# Allegro board BRD-05058-01_B04.brd (continued)
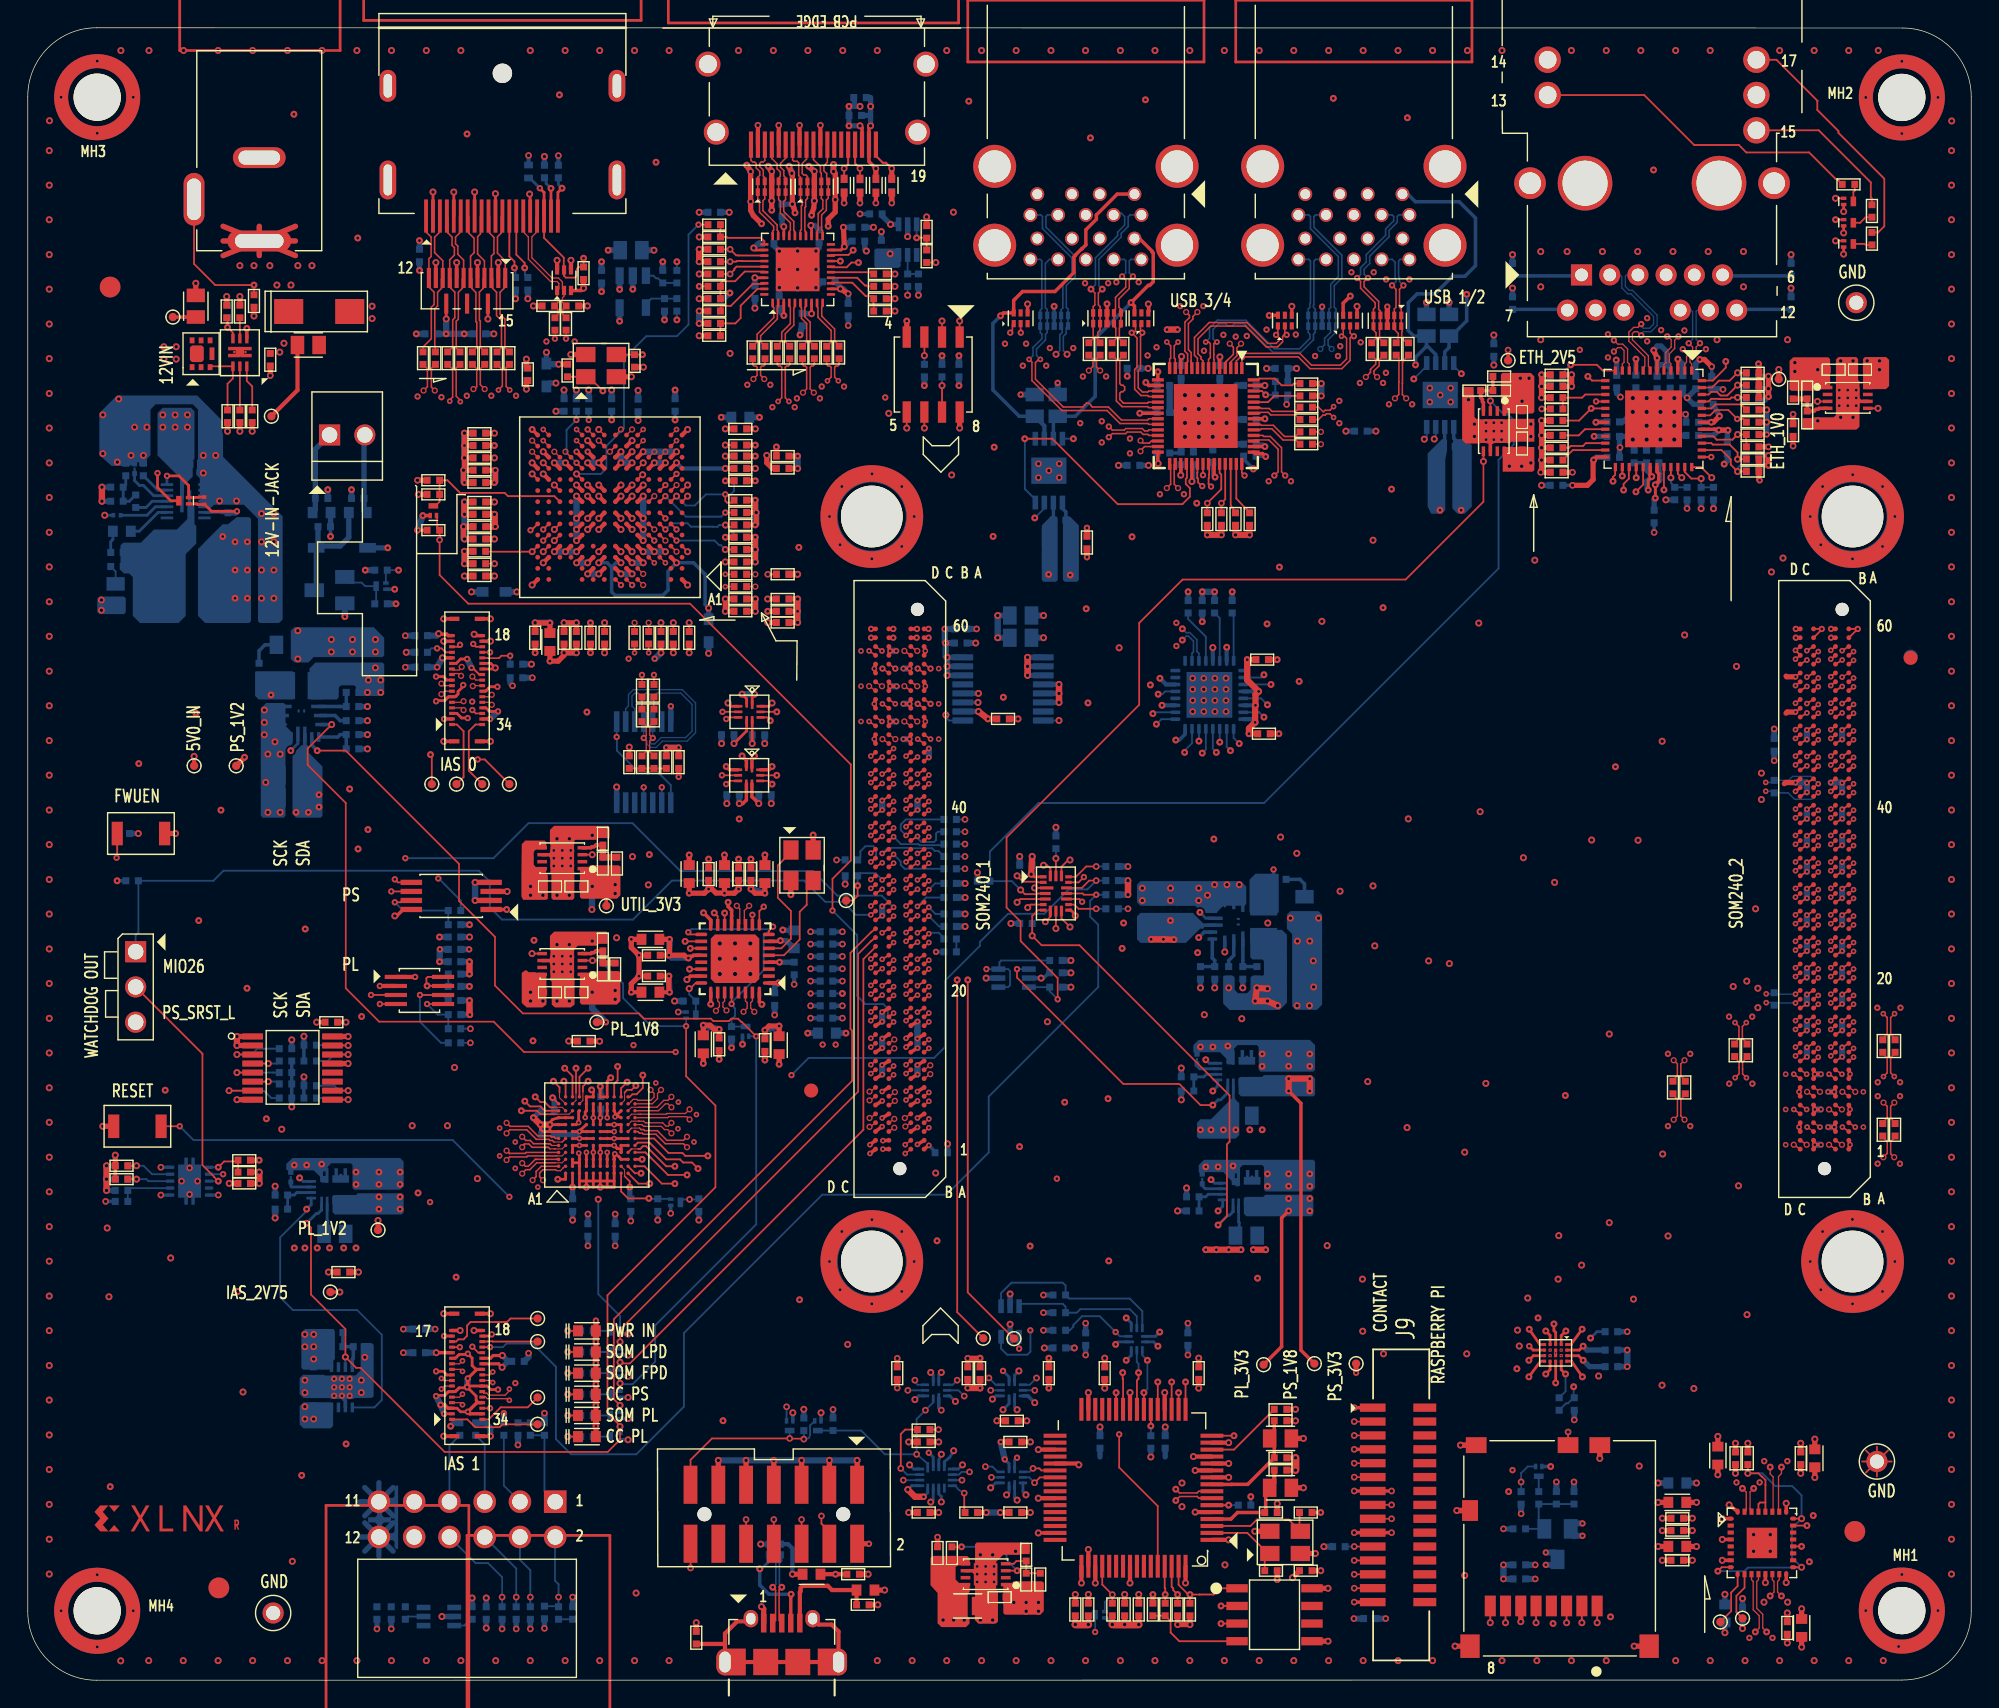
[diagram p0: board, top side]
## Routing (per net, layer and track width the routed paths; a pad name or vN(x,y) marks a point on that pad's centre or on a via; arc(x,y) is an arc through that point) (continued)
VCC_BATT: length 1.2
  TOP w0.254: JA1.A1 v3(64.91,38.52)
  BOTTOM w0.254: R44.1 65.36,38.07 v3(64.91,38.52)
VCCOEN_PL_M2C: length 130
  TOP w0.132: U9.5 v4(36.32,52.33) ; JA1.A20 v3(64.09,50.01)
  L03_SIG w0.102: v2(43.64,45.73) 46.89,45.73 47.45,45.18 49.91,45.18 50.21,44.87 52.07,44.87 52.3,45.1 58.68,45.1 59.61,46.03 59.61,48.05 60.45,48.88 63.37,48.88 63.7,49.21 63.7,49.63 v3(64.09,50.01) ; v2(28.98,34.43) 30.57,32.84 37.22,32.84 39.67,35.29 39.67,36.26 38.28,37.65 38.28,40.45 37.18,41.54 37.18,42.43 35.74,43.88 35.74,51.74 v4(36.32,52.33)
  L12_SIG w0.102: v2(43.64,45.73) 43.64,46.42 41.71,48.35 40.61,48.35 39.12,49.84 38.02,49.84 36.32,51.54 v4(36.32,52.33) ; v3(64.09,50.01) 64.54,49.56 64.54,49.16 64.76,48.94 68.91,48.94 84.06,33.8 v6(85.75,33.8) ; v2(28.98,34.43) 27.65,34.43 27.57,34.36 24.38,34.36 23.95,33.92 v6(20.09,33.92)
  BOTTOM w0.132: v6(20.09,33.92) 20.09,33.8 18.18,31.89 18.18,27.57 19.1,26.66 23.73,26.66 25.5,24.88 25.5,20.18 24.97,19.65 U8.5
  BOTTOM w0.203: v6(20.09,33.92) 20.42,34.25 U5.9 ; v6(85.75,33.8) 86.08,34.12 U4.9
VCCOEN_PS_M2C: length 105.6
  TOP w0.127: v2(46.67,45.24) 35.75,45.24 33.56,47.42 25.31,47.42 22.91,49.83 22.91,63.17 20.17,65.91 20.17,67.1 v4(21.89,68.82)
  TOP w0.132: JA1.A19 v3(64.91,49.95)
  L03_SIG w0.102: v2(46.67,45.24) 47.06,44.85 49.06,44.85 49.68,44.24 53.36,44.24 54,44.87 58.78,44.87 59.88,45.97 59.88,47.91 60.55,48.58 64.11,48.58 64.46,48.94 64.46,49.5 v3(64.91,49.95)
  L12_SIG w0.102: v6(85.37,42.43) 85.37,43.7 86.93,45.26 86.93,51.75 v4(86.23,52.44) 83.28,49.49 69.8,49.49 69.34,49.95 v3(64.91,49.95)
  BOTTOM w0.203: v6(85.37,42.43) 85.7,42.76 U3.9
  BOTTOM w0.254: U1.12 v4(86.23,52.44) ; U2.12 v4(21.89,68.82)
AP1302_GPIO2_NC: length 2.7
  TOP w0.132: U34.A10 37.24,41.01 36.93,41.32 36.18,41.32 v6(35.81,41.7)
AP1302_GPIO3_NC: length 5.4
  TOP w0.132: U34.M5 43.95,38.72 44.79,38.72 45.99,37.51 46.99,37.51 47.21,37.28 47.85,37.28 v6(48.28,36.84)
AP1302_GPIO4_NC: length 5.8
  TOP w0.132: v6(48.99,37.76) 47.37,37.76 47.16,37.97 46.16,37.97 45.12,39.01 U34.M6
AP1302_GPIO5_NC: length 4.4
  TOP w0.132: U34.M4 44.49,38.01 46.12,36.39 v6(47.49,36.39)
AP1302_GPIO6_NC: length 4.2
  TOP w0.076: 43.49,38.26 43.98,38.26
  TOP w0.132: U34.L4 43.49,38.26 ; v6(46.62,37.01) 45.99,37.01 44.55,38.46 44.31,38.46 44.12,38.26 43.98,38.26
AP1302_GPIO7_NC: length 1.2
  TOP w0.132: v6(38.62,43.14) 38.74,43.01 U34.B12
AP1302_GPIO8_NC: length 2.3
  TOP w0.132: v6(44.31,43.57) 44.31,42.64 43.86,42.2 43.56,42.2 43.37,42.01 U34.L12
AP1302_GPIO9_NC: length 1.2
  TOP w0.132: U34.K12 42.74,42.64 v6(43.18,43.07)
AP1302_GPIO10_NC: length 2.3
  TOP w0.132: U34.J12 42.24,42.95 42.49,43.2 v6(42.49,44.2)
AP1302_STANDBY_LS: length 5.1
  TOP w0.132: v6(44.74,34.7) 43.24,34.7 42.74,35.2 U34.K1
  BOTTOM w0.132: Q1.2 46.29,34.67 R91.2 44.77,34.67 v6(44.74,34.7)
CC_PL_PGOOD: length 144.3
  TOP w0.127: v6(85.75,32.78) 86.39,33.42 86.39,38.59 86.58,38.79 86.58,42.11 75.76,52.93 73.04,52.93 v4(72.36,53.61) ; v6(20.09,32.91) 20.4,32.59 20.4,27.77 22.88,25.29 v4(22.88,23.28) 23.66,22.49 23.98,22.49 30.03,16.44 41.78,16.44 42.67,17.33 v4(42.67,18.27) 42.67,18.33 41.76,19.24 41.76,27.72 49.54,35.5 49.54,41.38 47.43,43.5 v2(47.43,47.1)
  TOP w0.132: U9.3 v4(40.69,51.83) ; v4(72.36,53.61) 72.36,55.03 72.78,55.46 U19.7
  L12_SIG w0.102: v2(47.43,47.1) 48.28,47.96 48.28,48.88 49.02,49.62 56,49.62 56.28,49.9 58.96,49.9 59.67,50.61 59.67,51.46 60.72,52.51 64.95,52.51 65.54,53.1 71.65,53.1 72.16,53.61 v4(72.36,53.61)
  BOTTOM w0.132: v4(72.36,53.61) R28.2 ; Q16.1 v2(47.43,47.1) 44.91,47.1 42.89,49.12 42.89,50.17 41.23,51.83 v4(40.69,51.83) ; U8.3 v4(22.88,23.28) ; Q10.1 v4(42.67,18.27)
  BOTTOM w0.203: U5.8 21.17,33.87 20.91,33.61 20.79,33.61 v6(20.09,32.91) ; v6(85.75,32.78) 86.45,33.48 86.57,33.48 86.83,33.74 U4.8
CC_PL_PGOOD_LS_B: length 3.1
  TOP w0.127: U17.24 48.11,50.21 47.71,49.8 v4(47.65,49.8)
  BOTTOM w0.132: Q16.3 R237.2 47.65,49.39 v4(47.65,49.8)
CC_PS_PGOOD: length 220.7
  TOP w0.127: v2(52.47,46.37) 51.43,47.42 51.39,47.42 51.16,47.64 50.68,47.64 50.51,47.47 49.39,47.47 49.22,47.64 44.4,47.64 44.02,48.02 35.66,48.02 33.66,50.02 33.66,53.53 31.07,56.12 31.07,58.78 22.91,66.94 v6(20.85,66.94) ; v6(85.37,41.42) 84.48,41.42 82.96,42.94 78.92,42.94 71.26,50.6 v2(71.26,51.21)
  TOP w0.132: U12.3 v4(128.93,92.09) ; U10.3 v4(105.36,92.13) ; v4(71.52,56.91) 71.83,56.61 72.72,56.61 72.77,56.66 U19.4
  L12_SIG w0.102: v4(71.52,56.91) 72.18,57.57 72.75,57.57 73.03,57.29 73.03,55.38 72.79,55.15 72.79,54.5 73.05,54.24 73.05,52.97 71.68,51.6 71.65,51.6 v2(71.26,51.21) 71.13,51.21 70.51,51.83 66.75,51.83 65.58,50.66 60.76,50.66 59.79,49.69 59.79,47.77 59.15,47.13 55.5,47.13 54.74,46.37 v2(52.47,46.37) ; v4(105.36,92.13) 105.96,92.72 108.01,92.72 108.88,93.59 111.67,93.59 112.07,93.19 113.36,93.19 113.76,93.59 121.59,93.59 121.81,93.37 122.29,93.37 122.54,93.13 122.54,92.33 122.94,91.93 127.24,91.93 127.4,92.09 v4(128.93,92.09)
  BOTTOM w0.132: v4(42.67,21.38) 42.62,21.38 42.67,21.33 ; v4(105.36,92.13) 106.35,91.14 106.66,91.14 107.04,90.76 107.04,88.98 105.95,87.89 105.95,80.06 89.06,63.17 72.8,63.17 69.31,59.68 R7.2 70.89,57.55 v4(71.52,56.91) ; U70.4 v2(71.26,51.21) ; 42.67,21.33 42.68,21.32 43.57,21.32 45.2,22.95 45.2,25.56 52.47,32.83 v2(52.47,46.37) 51.94,46.37 Q11.1 ; 42.67,21.33 Q8.1
  BOTTOM w0.203: U3.8 86.45,42.3 85.94,41.79 85.75,41.79 v6(85.37,41.42)
  BOTTOM w0.254: v6(20.85,66.94) 20.46,67.34 U2.14
CC_PS_PGOOD_LS_B: length 18.2
  TOP w0.127: v2(47.58,53.86) 47.74,53.71 U17.17 ; U17.28 v2(50.7,48.7) ; U17.8 53.39,53.96 v2(53.69,54.27)
  BOTTOM w0.132: v2(47.58,53.86) 47.81,54.09 53.51,54.09 ; Q11.3 R232.2 50.7,47.59 50.95,47.84 50.95,48.37 50.89,48.44 50.89,48.46 50.7,48.64 v2(50.7,48.7) 50.7,48.81 53.02,51.13 53.02,53.59 53.51,54.09 ; 53.51,54.09 v2(53.69,54.27)
CC_PS_POR_B: length 86.3
  TOP w0.127: v2(10.95,39.89) SW2.2
  TOP w0.132: U19.3 v4(72.53,57.06)
  L12_SIG w0.102: v2(34.69,34.81) 37.74,34.81 39.52,36.59 41.93,36.59 42.75,37.41 42.75,43.63 44.6,45.48 44.6,52.69 46.15,54.24 47.41,54.24 47.42,54.26 47.75,54.26 47.78,54.29 53.02,54.29 54.18,55.45 56.46,55.45 57.23,54.68 61.71,54.68 61.92,54.9 61.92,54.93 62,55.01 62,55.81 62.22,56.03 62.9,56.03 62.99,56.12 65.2,56.12 66.57,54.75 68.48,54.75 68.68,54.95 72.29,54.95 72.46,55.13 72.46,56.22 72.53,56.29 v4(72.53,57.06)
  BOTTOM w0.132: v2(10.95,39.89) 11.94,38.9 30.61,38.9 v2(34.69,34.81)
DP_3V3: length 5.5
  TOP w0.203: J6.20 38.19,107.15 v6(38.49,107.44)
  TOP w0.305: U62.4 v4(39.13,102.25)
  BOTTOM w0.203: C365.1 38.22,107.71 v6(38.49,107.44)
  BOTTOM w0.432: U33.1 v6(42.63,100.16) ; C266.1 v6(41.81,102.98)
DP_AUX_C_N: length 0.9
  TOP w0.094: R85.1 C112.2
DP_AUX_C_P: length 0.9
  TOP w0.094: R83.1 C111.2
DP_AUX_C_R_N: length 10
  TOP w0.094: U27.A7 v2(42.73,78.87) ; R85.2 v2(44.25,72.39)
  L03_SIG w0.091: v2(42.73,78.87) 43.01,78.6 43.01,77.62 42.44,77.06 42.44,73.47 42.9,73.01 42.92,73.01 43.02,72.92 43.55,72.92 43.64,73.01 44.36,73.01 44.55,72.83 44.55,72.7 v2(44.25,72.39)
DP_AUX_C_R_P: length 10
  TOP w0.094: U27.A6 v2(43.53,78.87) ; R83.2 v2(45.11,72.39)
  L03_SIG w0.091: v2(43.53,78.87) 43.26,78.6 43.26,77.52 42.7,76.95 42.7,73.57 43,73.27 43.03,73.27 43.12,73.17 43.44,73.17 43.54,73.27 44.47,73.27 44.8,72.93 44.8,72.7 v2(45.11,72.39)
DP_AUX_N: length 18.2
  TOP w0.094: C112.1 44.55,68.73 44.55,68.03 v2(44.37,67.85) 44.55,67.67 44.55,66.87 R173.2
  BOTTOM w0.094: U29.11 v2(44.37,67.85) 44.6,67.62 44.6,67.41 44.84,67.17 45.26,67.17 45.72,67.63 47.5,67.63 48.11,68.24 48.11,70.38 47.14,71.34 43.63,71.34 43.27,70.98 43.27,70.16 43.07,69.96 U29.9
DP_AUX_P: length 18.2
  TOP w0.094: C111.1 44.8,68.73 44.8,68.07 v2(45.02,67.85) 44.8,67.63 44.8,66.87 R172.2
  BOTTOM w0.094: U29.10 43.72,69.96 43.52,70.16 43.52,70.87 43.74,71.08 43.97,71.08 44.07,70.99 44.07,70.64 44.16,70.55 44.35,70.55 44.44,70.64 44.44,70.99 44.54,71.08 44.73,71.08 44.82,70.99 44.82,70.64 44.91,70.55 45.1,70.55 45.2,70.64 45.2,70.99 45.29,71.08 47.04,71.08 47.85,70.27 47.85,68.34 47.39,67.88 45.62,67.88 45.16,67.43 44.95,67.43 44.85,67.52 44.85,67.76 44.95,67.85 v2(45.02,67.85) U29.12
DP_PWR_EN: length 2.6
  BOTTOM w0.132: U33.4 44.53,99.1 44.92,99.49 R196.2 R197.2
DP_PWR_FAULT_B: length 2.4
  BOTTOM w0.132: R198.2 R195.2 45.42,100.95 45.27,100.95 45.07,101.15 U33.3
DP_TX1_AUX_C_N: length 9.1
  TOP w0.094: J6.17 36.6,105.35 36.6,104.22 36.32,103.93 36.32,102.43 37.77,100.98 38.23,100.98 38.51,100.69 38.51,100.2 U62.2 38.63,99.67 38.52,99.57 38.52,99.23 R205.2 38.54,98.72 38.54,98.35 C267.2
DP_TX1_AUX_C_P: length 9
  TOP w0.094: C268.2 38.2,98.35 38.2,98.72 R206.1 38.21,99.22 38.21,99.57 38.13,99.64 U62.1 38.26,100.21 38.26,100.59 38.12,100.73 37.66,100.73 36.06,102.33 36.06,103.93 35.78,104.21 35.78,105.35 J6.15
DP_TX1_AUX_N: length 12.5
  TOP w0.094: U27.P8 v4(41.13,90.07) ; C267.1 v2(38.78,96.61)
  L12_SIG w0.091: v2(38.78,96.61) 38.48,96.31 38.48,95.52 39.11,94.88 41.76,94.88 42.8,93.84 42.8,92.62 42.14,91.96 41.48,91.96 41.04,91.53 41.04,90.51 40.89,90.36 40.89,90.16 40.99,90.07 v4(41.13,90.07)
DP_TX1_AUX_P: length 12.6
  TOP w0.094: C268.1 v2(37.97,96.61) ; U27.P9 v2(40.33,90.07)
  L12_SIG w0.091: v2(40.33,90.07) 40.52,90.07 40.64,90.19 40.64,90.47 40.79,90.62 40.79,91.64 41.37,92.22 42.03,92.22 42.54,92.73 42.54,93.74 41.65,94.63 39.01,94.63 38.22,95.42 38.22,96.36 v2(37.97,96.61)
DP_TX1_HPD_IN: length 36.7
  TOP w0.132: v6(40.04,102.4) R199.1 39.69,101.78 39.56,101.64 39.56,101.15 39.41,101 38.76,101 38.63,101.14 U62.5 38.62,101.58 38.62,102.44 37.19,103.87 J6.18 ; U27.D1 v4(47.53,81.27)
  TOP w0.203: J6.18 37.19,107.14 v2(36.89,107.44)
  L10_SIG w0.102: v6(40.04,102.4) 40.04,101.98 48.85,93.17 48.85,82.58 v4(47.53,81.27)
  BOTTOM w0.203: v2(36.89,107.44) 36.15,108.18 C366.1
DP_TX1_LN0_C_N: length 10.4
  TOP w0.114: J6.3 29.61,105.36 29.61,104.22 29.31,103.92 29.31,102.81 29.9,102.22 U61.10 29.8,100.89 29.8,100.23 29.52,99.95 29.52,98.97 29.32,98.77 29.32,96.03 29.36,95.99 C118.2
DP_TX1_LN0_C_P: length 10.5
  TOP w0.114: J6.1 28.77,105.36 28.77,104.22 29.06,103.93 29.06,102.53 28.9,102.37 U61.12 28.98,100.9 28.98,100.24 29.27,99.96 29.27,99.07 29.07,98.87 29.07,96.61 28.47,96.01 C117.2
DP_TX1_LN0_N: length 12.7
  TOP w0.094: U27.N14 v5(36.33,89.27)
  TOP w0.114: v5(29.32,92.87) 29.07,93.12 29.07,94.47 C118.1
  L03_SIG w0.112: v5(36.33,89.27) 36.33,89.23 36.1,89 35.5,89 35.15,89.35 35.15,89.51 35.25,89.62 35.25,89.77 35.12,89.91 34.91,89.91 34.83,89.83 34.67,89.83 33.83,90.67 30.48,90.67 29.04,92.1 29.04,92.6 v5(29.32,92.87)
DP_TX1_LN0_P: length 12.7
  TOP w0.094: U27.M14 v5(36.33,88.47)
  TOP w0.114: C117.1 28.79,94.44 28.79,93.15 v5(28.51,92.87)
  L03_SIG w0.112: v5(36.33,88.47) 36.06,88.74 35.4,88.74 33.73,90.41 30.37,90.41 28.79,92 28.79,92.6 v5(28.51,92.87)
DP_TX1_LN1_C_N: length 10.5
  TOP w0.114: C120.2 30.87,95.93 30.87,97.86 31.02,98.01 31.02,99.95 31.31,100.24 31.31,100.89 U61.7 31.4,102.27 30.98,102.68 30.98,103.27 30.82,103.44 30.82,103.93 31.11,104.21 31.11,105.35 J6.6
DP_TX1_LN1_C_P: length 10.5
  TOP w0.114: J6.4 30.27,105.36 30.27,104.22 30.57,103.92 30.57,103.33 30.73,103.17 30.73,102.63 30.4,102.29 U61.9 30.49,100.89 30.49,100.23 30.77,99.95 30.77,98.12 30.61,97.97 30.61,96.02 C119.2
DP_TX1_LN1_N: length 13.6
  TOP w0.094: U27.N13 v3(37.13,89.27)
  TOP w0.114: C120.1 30.86,94.48 30.86,92.47 31.16,92.17 v3(31.16,92.07)
  L12_SIG w0.112: v3(31.16,92.07) 30.89,91.8 30.89,91.46 31.4,90.95 37.57,90.95 38.07,90.44 38.07,89.84 37.77,89.54 37.41,89.54 v3(37.13,89.27)
DP_TX1_LN1_P: length 13.6
  TOP w0.094: U27.P13 v3(37.13,90.07)
  TOP w0.114: v3(30.4,92.11) 30.4,92.19 30.61,92.4 30.61,94.4 C119.1
  L12_SIG w0.112: v3(30.4,92.11) 30.63,91.87 30.63,91.35 31.29,90.69 35.23,90.69 35.34,90.58 35.34,90.45 35.45,90.34 35.67,90.34 35.79,90.45 35.79,90.58 35.9,90.69 37.46,90.69 37.82,90.34 37.82,89.95 37.67,89.8 37.41,89.8 v3(37.13,90.07)
DP_TX1_LN2_C_N: length 10.4
  TOP w0.114: C122.2 32.6,95.97 32.6,97.88 32.53,97.95 32.53,99.96 32.81,100.24 32.81,100.89 U61.4 32.9,102.22 32.41,102.71 32.41,103.95 32.61,104.16 32.61,105.36 J6.9
DP_TX1_LN2_C_P: length 10.4
  TOP w0.114: C121.2 32.35,95.98 32.35,97.78 32.28,97.84 32.28,99.94 31.98,100.24 31.98,100.9 U61.6 31.9,102.55 32.15,102.8 32.15,103.84 31.77,104.21 31.77,105.36 J6.7
DP_TX1_LN2_N: length 11.9
  TOP w0.094: U27.M11 v5(38.73,88.47)
  TOP w0.114: C122.1 32.6,94.44 32.6,93.3 v5(32.92,92.98)
  L03_SIG w0.112: v5(38.73,88.47) 38.46,88.74 38.46,89.95 36.6,91.81 33.02,91.81 32.64,92.19 32.64,92.7 v5(32.92,92.98)
DP_TX1_LN2_P: length 11.9
  TOP w0.094: U27.M12 v5(37.93,88.47)
  TOP w0.114: v5(32.11,92.98) 32.17,92.98 32.35,93.15 32.35,94.44 C121.1
  L03_SIG w0.112: v5(32.11,92.98) 32.38,92.7 32.38,92.08 32.91,91.56 36.49,91.56 38.21,89.84 38.21,88.74 v5(37.93,88.47)
DP_TX1_LN3_C_N: length 10.6
  TOP w0.114: C124.2 34.38,95.98 34.38,98.02 34.02,98.38 34.02,99.95 34.31,100.23 34.31,100.89 U61.1 34.4,102.21 33.83,102.77 33.83,103.94 34.11,104.21 34.11,105.36 J6.12
DP_TX1_LN3_C_P: length 10.5
  TOP w0.114: J6.10 33.27,105.36 33.27,104.22 33.58,103.9 33.58,102.74 33.4,102.56 U61.3 33.49,100.89 33.49,100.23 33.77,99.95 33.77,98.27 34.12,97.92 34.12,95.98 C123.2
DP_TX1_LN3_N: length 11.2
  TOP w0.094: U27.P10 v3(39.53,90.07)
  TOP w0.114: v3(34.72,92.91) 34.46,93.17 34.46,94.52 C124.1
  L12_SIG w0.112: v3(39.53,90.07) 39.26,89.8 39.1,89.8 38.91,89.99 38.91,91.56 38.38,92.09 37.39,92.09 37.28,92.2 37.28,92.25 37.13,92.39 36.95,92.39 36.84,92.28 36.84,92.2 36.72,92.09 35.86,92.09 35.58,91.81 34.75,91.81 34.44,92.11 34.44,92.67 34.68,92.91 v3(34.72,92.91)
DP_TX1_LN3_P: length 11.3
  TOP w0.094: U27.N10 v3(39.53,89.27)
  TOP w0.114: C123.1 34.19,94.38 34.19,93.19 v3(33.91,92.91)
  L12_SIG w0.112: v3(33.91,92.91) 34.19,92.63 34.19,92.01 34.64,91.56 35.69,91.56 35.97,91.84 38.27,91.84 38.66,91.45 38.66,89.88 39,89.54 39.26,89.54 v3(39.53,89.27)
EEPROM_WC_B: length 127.9
  L12_SIG w0.102: v2(76.89,3.47) 71.46,3.47 68.45,6.49 66.44,6.49 64.08,8.85 23.93,8.85 12.93,19.85 12.93,40.5 12.39,41.03 12.39,52.56 18.37,58.54 28.77,58.54 v2(29.57,57.74)
  BOTTOM w0.132: R255.2 31.19,56.15 29.63,57.71 29.6,57.71 v2(29.57,57.74) ; Q19.3 v2(76.89,3.47)
EEPROM_WC_B_R: length 6.4
  TOP w0.127: v2(26.44,56.02) 26.84,56.02 26.97,56.15 U15.7
  BOTTOM w0.132: v2(26.44,56.02) 27.04,55.43 R255.1 R256.1
ETH_1V0: length 24.7
  TOP w0.203: v6(117.24,86.09) 117.25,86.09 v6(117.25,85.13)
  TOP w0.254: U36.24 113.01,88.09 v6(112.8,87.87) ; U36.31 117.37,87.02 117.49,86.89 117.49,86.34 v6(117.24,86.09) ; v6(117.37,95.21) 117.37,95 117.37,94.99 U36.6 ; U36.42 v6(121.27,90.59)
  TOP w0.381: C164.1 v1(127.17,88.88) ; v6(112.8,87.87) 112.76,87.84 112.76,86.46 112.35,86.05 v1(111.28,86.05) ; v6(121.27,90.59) 121.43,90.59 v6(121.87,91.03) ; v6(117.37,95.21) v6(117.13,95.77) ; TP17.1 v4(126.14,94.39)
  BOTTOM w0.203: v6(117.25,85.13) 117.24,85.13 v6(117.24,86.09)
  BOTTOM w0.254: C154.1 v1(111.28,86.05)
  BOTTOM w0.381: v6(117.25,85.13) 117.16,85.04 C163.1 ; C152.1 117.5,86.97 117.58,86.9 117.58,86.42 v6(117.24,86.09) ; 117.37,94.53 117.59,94.74 118.05,94.74 ; 117.37,94.53 C167.1 ; 117.37,94.53 v6(117.37,95.21) 117.36,95.22 v6(117.13,95.77) 117.38,96.08 117.67,96.08 118.05,95.7 118.05,94.74 ; C162.1 v6(121.27,90.59) ; C155.1 v6(121.87,91.03) ; v6(112.8,87.87) 112.99,88.06 C166.1 ; C165.1 118.32,94.47 118.05,94.74 ; v6(112.84,89.58) 112.84,89.57 C153.1
  vias: v4(127.3,94.88) v4(127.3,94.25) v4(128.95,94.38) v4(128.95,93.11)
ETH_1V0_FB: length 3.4
  TOP w0.254: U12.4 129.05,91.59 128.98,91.52 128.82,91.52 128.69,91.4 R17.1 C14.2
  TOP w0.381: R6.2 C14.2
ETH_2V5: length 9.7
  TOP w0.254: v6(115.85,95.14) 115.87,95.12 U36.9 ; TP13.1 v1(106.64,95.79) ; U36.3 v6(118.87,95.14)
  TOP w0.381: v1(121.31,94.59) 120.79,95.11 v6(120.45,95.11)
  BOTTOM w0.254: C150.1 v1(121.31,94.59)
  BOTTOM w0.381: C148.1 120.16,94.82 v6(120.45,95.11) ; C160.1 114.46,95.04 v6(114.43,95.07) ; C151.1 119.22,94.78 v6(118.87,95.14) ; C149.1 v4(105.61,94.71) ; v6(115.85,95.14) C161.1
  vias: v4(106.37,92.11) v4(107.52,93.76) v4(107.64,92.11) v4(108.15,93.76)
ETH_2V5_FB: length 3.4
  TOP w0.254: U10.4 104.86,92 104.79,92.07 104.79,92.23 104.66,92.36 R15.1 C13.2 R10.2
ETH_REF_CLK: length 102.3
  TOP w0.127: C172.2 v1(109.06,91.55)
  TOP w0.132: v6(49.46,55.26) 49.7,55.01 U17.15
  L12_SIG w0.102: v6(49.46,55.26) 49.46,55.28 48.28,56.45 48.28,59.7 47.78,60.21 47.78,67.17 46.41,68.54 45.42,68.54 42.32,71.64 42.32,74.29 43.36,75.33 58.7,75.33 76,92.62 81.53,92.62 82.72,93.81 94.44,93.81 99.59,88.66 101.62,88.66 104.51,91.55 v1(109.06,91.55)
ETH_REG_EN: length 100.1
  TOP w0.127: v2(74.19,49.04) 74.19,50.56 71.52,53.23 71.52,54.62 70.51,55.64 70.51,60.69 80.06,70.24 80.06,76.14 83.19,79.26 99.25,79.26 104.86,84.87 v4(104.86,87.77)
  TOP w0.132: U12.5 v4(133.29,91.59) ; U10.5 v4(104.86,87.77)
  L12_SIG w0.102: v4(133.29,91.59) 131.75,90.06 125.48,90.06 125.4,90.14 124.43,90.14 123.32,91.25 123.18,91.25 122.54,91.89 114.53,91.89 113.84,92.57 112.24,92.57 109.8,90.13 108.54,90.13 108.45,90.04 107.83,90.04 105.56,87.77 v4(104.86,87.77)
  BOTTOM w0.132: U70.6 R244.2 73.61,49.61 v2(74.19,49.04)
ETH_RESET_B: length 73.9
  TOP w0.127: U19.16 75.7,57.46 v2(76.08,57.84) ; R125.2 123.57,90.83 v2(123.15,90.83) 122.5,91.47 121.69,91.47 121.66,91.45 121.56,91.45 121.2,91.09 U36.43
  L12_SIG w0.102: v2(123.15,90.83) 123.82,90.15 123.82,78.49 104.33,59 80.8,59 79.9,58.1 76.34,58.1 v2(76.08,57.84)
FB_UTIL_3V3: length 3.4
  TOP w0.254: U7.4 40.56,59.95 40.63,60.02 40.79,60.02 40.92,60.14 R38.1
  TOP w0.457: R38.1 C41.2 R39.2
FTDI_3V3_FB: length 3.4
  TOP w0.132: U11.4 71.02,8.38 71.22,8.58 R41.1 C44.2 R36.2
FTDI_3V3_PG: length 6.4
  TOP w0.132: U11.3 70.45,7.89 v6(71.27,7.89) ; R40.2 v6(67.26,9.61)
  BOTTOM w0.132: v6(71.27,7.89) 70.51,8.65 70.51,8.98 69.88,9.61 v6(67.26,9.61)
FTDI_EEPROM_WC: length 4.4
  TOP w0.127: R262.1 v1(78.13,6.16) 77.4,6.89 U24.52
  BOTTOM w0.132: Q19.1 77.59,5.62 v1(78.13,6.16)
FTDI_LS_OE_B: length 30.6
  TOP w0.132: U24.22 v6(80.9,18.31)
  L12_SIG w0.102: v6(80.9,18.31) 80.55,18.66 75.18,18.66 74.62,18.1 68.01,18.1 67.3,18.81 54.91,18.81 54.66,19.06 v1(54.66,19.69)
  BOTTOM w0.132: R235.2 v6(80.9,18.31) ; Q13.1 v1(54.66,19.69)
FTDI_PS_POR_B: length 4.5
  TOP w0.132: U24.23 v6(80.4,20.71)
  BOTTOM w0.132: U71.8 80.29,23.4 v6(80.65,23.04) 80.65,20.96 v6(80.4,20.71)
FTDI_PS_POR_B_LS: length 13.9
  BOTTOM w0.132: U23.1 70.11,27.88 70.86,28.63 74.56,28.63 74.76,28.42 R266.2 75.02,27.49 79.38,27.49 80.29,26.58 U71.5
FTDI_PS_SRST_B: length 4.4
  TOP w0.132: U24.24 79.9,21.59 80.02,21.71 v6(80.02,22.15)
  BOTTOM w0.132: v6(80.02,22.15) 80.02,22.79 79.89,22.91 U71.9
FTDI_PS_SRST_B_LS: length 10.2
  BOTTOM w0.132: U71.4 79.89,26.22 79.38,26.72 75.83,26.72 75.57,26.47 R267.2 74.76,26.9 74.56,27.1 71.58,27.1 U23.3
FTDI_PWREN_B: length 24.5
  TOP w0.127: U24.60 81.4,12.54 78.62,15.32 v2(78.62,17.71)
  L03_SIG w0.102: v2(78.37,25.07) 79.52,23.92 79.52,21.78 78.87,21.14 78.87,19.67 78.62,19.42 v2(78.62,17.71)
  BOTTOM w0.132: U71.2 78.67,24.76 v2(78.37,25.07) 77.22,26.22 75.95,26.22 75.32,25.58 75.32,25.45 75.06,25.2 R268.2
FTDI_TCK: length 23.1
  TOP w0.132: U24.16 v6(86.89,17.61)
  L12_SIG w0.102: v1(67.84,15) 68.78,15 68.81,14.96 69.16,14.96 69.19,15 69.23,15 69.25,15.02 69.59,15.02 69.62,15 71.32,15 72.52,16.19 79.07,16.19 80.49,17.61 v6(86.89,17.61)
  BOTTOM w0.132: v1(67.84,15) 67.28,15 67.08,14.81 U22.6
FTDI_TDI: length 26
  TOP w0.132: U24.17 v6(83.4,21.48)
  L03_SIG w0.102: v6(83.4,21.48) 83.4,18.85 81.97,17.41 81.18,17.41 76.32,12.55 67.62,12.55 66.86,13.32 66.86,13.97 v1(67.3,14.41)
  BOTTOM w0.132: U22.7 v1(67.3,14.41)
FTDI_TDO: length 19.2
  TOP w0.132: U24.18 v6(82.9,20.71)
  L12_SIG w0.102: v6(82.9,20.71) 81.69,19.5 71.98,19.5 71.4,20.08 70.18,20.08 69.93,19.82 68.1,19.82 v1(67.46,20.46)
  BOTTOM w0.132: v1(67.46,20.46) 67.05,20.88 U25.9
FTDI_TMS: length 19.5
  TOP w0.132: U24.19 v6(82.4,21.48)
  L12_SIG w0.102: v6(82.4,21.48) 82.01,21.48 80.61,20.08 75.95,20.08 75.59,20.44 72.18,20.44 71.32,21.3 68.9,21.3 68.59,21.6 v1(66.95,21.6)
  BOTTOM w0.132: U25.8 66.62,21.28 v1(66.95,21.6)
FTDI_UARTB_RXD: length 8.5
  TOP w0.132: U24.27 v6(78.4,20.71)
  L03_SIG w0.102: v6(78.4,20.71) 77.76,20.07 73.35,20.07 v1(72.54,20.88)
  BOTTOM w0.132: U64.9 v1(72.54,20.88)
FTDI_UARTB_TXD: length 10.2
  TOP w0.132: U24.26 78.9,21.68 78.87,21.71 v6(78.87,22.15)
  L03_SIG w0.102: v6(78.87,22.15) 75.83,22.15 75.44,21.77 v1(72.67,21.77)
  BOTTOM w0.132: v1(72.67,21.77) 72.18,21.28 U64.8
FTDI_UARTC_RXD: length 2.6
  TOP w0.132: U24.39 72.91,14.61 v1(72.53,14.22)
  BOTTOM w0.132: v1(72.53,14.22) 72.14,14.61 U65.9
FTDI_UARTC_TXD: length 2.5
  TOP w0.132: U24.38 73.02,15.11 72.88,15.25 v1(72.41,15.25)
  BOTTOM w0.132: U65.8 72.17,15.01 v1(72.41,15.25)
FWUEN_C2M_B: length 63.5
  TOP w0.127: v2(6.4,59.23) 6.45,59.27 SW1.2
  TOP w0.132: JA1.C28 v3(62.37,55.66)
  L12_SIG w0.102: v2(27.2,59.2) v2(6.4,59.23)
  BOTTOM w0.132: C236.1 6.43,59.25 v2(6.4,59.23) ; v3(62.37,55.66) 62.36,55.66 61.52,56.5 58.32,56.5 56.55,58.27 47.01,58.27 43.56,61.72 36.08,61.72 33.55,59.2 v2(27.2,59.2)
GEM_GPIO0: length 4.7
  TOP w0.132: R105.2 v4(123.17,87.93) 123.17,88.41 122.6,88.98 121.39,88.98 121.28,89.09 U36.39
  BOTTOM w0.132: v4(123.17,87.93) 123.49,88.25 R117.1
GEM_GPIO1: length 4.4
  TOP w0.132: U36.40 121.41,89.59 121.67,89.33 122.8,89.33 v4(123.17,89.71) R104.2 123.78,89.69 123.78,89.29 123.8,89.27 R116.1
GEM_LED0: length 19
  TOP w0.132: R108.2 v4(123.17,94.15) 122.6,93.58 121.83,93.58 121.33,93.09 U36.47 ; Q4.1 v6(130.23,105.18)
  L03_SIG w0.102: v6(130.23,105.18) 128.73,103.68 128.73,102.98 124.97,99.21 124.97,95.83 123.42,94.28 123.3,94.28 v4(123.17,94.15)
  BOTTOM w0.132: v4(123.17,94.15) 123.51,94.15 R120.1
GEM_LED0_CA: length 11.4
  TOP w0.132: J10.15 129.02,111.62 132.77,107.86 132.77,106.78 132.85,106.7 R127.2
GEM_LED1: length 18.8
  TOP w0.132: Q3.1 v4(130.23,103.66) ; R107.2 v4(123.17,93.26) 122.43,92.52 121.94,92.52 121.69,92.78 121.27,92.78 121.09,92.59 U36.46
  L03_SIG w0.102: v4(130.23,103.66) 130.23,101.88 125.48,97.13 125.48,94.85 123.89,93.25 123.29,93.25 123.28,93.26 v4(123.17,93.26)
  BOTTOM w0.132: R119.1 123.51,93.26 v4(123.17,93.26)
GEM_LED1_CA: length 17.7
  TOP w0.132: J10.17 125.97,116.7 128.93,113.73 128.91,113.72 128.91,113.08 130.44,111.56 130.44,111.43 133.74,108.13 133.74,104.7 133.3,104.26 R124.2
GEM_LED2: length 22.5
  TOP w0.132: R106.2 v4(123.17,92.38) 122.72,92.38 122.61,92.26 121.83,92.26 121.82,92.28 121.27,92.28 121.09,92.09 U36.45 ; Q2.1 v4(130.23,106.72)
  L03_SIG w0.102: v4(130.23,106.72) 129.76,106.25 129.54,106.25 124.41,101.12 124.41,96.49 122.62,94.7 122.62,92.97 123.17,92.42 v4(123.17,92.38)
  BOTTOM w0.132: R118.1 123.59,92.38 v4(123.17,92.38)
GEM_LED2_CA: length 23.9
  TOP w0.132: R112.2 130.71,107.73 130.32,108.11 130.23,108.11 128.32,110.02 123.8,110.02 123.26,110.56 120.04,110.56 116.44,114.16 J10.13
GEM_NC1: length 2.6
  TOP w0.132: v6(122.32,94.97) 122.32,94.53 121.38,93.59 U36.48
GEM_NC2: length 1.4
  TOP w0.132: v6(112.39,93.89) 112.69,93.59 U36.13
GEM_TD_A_N: length 5.6
  TOP w0.094: U36.2 119.37,94.79 119.49,94.91 119.49,95.33 119.93,95.77 119.93,96 v2(119.65,96.28)
  BOTTOM w0.094: J10.10 119.82,98.66 119.93,98.55 119.93,96.56 v2(119.65,96.28)
GEM_TD_A_P: length 5.6
  TOP w0.094: U36.1 119.87,94.79 119.75,94.91 119.75,95.23 120.18,95.66 120.18,96 v2(120.46,96.28)
  BOTTOM w0.094: v2(120.46,96.28) 120.18,96.56 120.18,98.57 120.28,98.66 J10.11
GEM_TD_B_N: length 11.8
  TOP w0.094: v2(118.1,96.77) 118.15,96.77 118.39,96.53 118.39,96 118.01,95.62 118.01,94.88 117.87,94.74 U36.5
  L12_SIG w0.091: v2(118.1,96.77) 118.36,96.52 118.36,96.39 118.25,96.28 117.73,96.28 117.24,96.77 117.24,97.7 117.37,97.83 117.37,98.58 117.46,98.67 117.79,98.67 117.88,98.77 117.88,98.95 117.79,99.04 117.46,99.04 117.37,99.13 117.37,99.35 117.78,99.76 118.67,99.76 119.17,100.26 119.17,100.61 119.76,101.2 J10.5
GEM_TD_B_P: length 11.8
  TOP w0.094: v2(118.91,96.77) 118.64,96.5 118.64,95.9 118.26,95.52 118.26,94.91 118.37,94.8 U36.4
  L12_SIG w0.091: v2(118.91,96.77) 118.91,96.58 118.36,96.03 117.63,96.03 116.99,96.66 116.99,97.8 117.12,97.93 117.12,99.46 117.68,100.01 118.57,100.01 118.91,100.36 118.91,100.62 118.33,101.2 J10.4
GEM_TD_C_N: length 11.1
  TOP w0.094: U36.8 116.37,94.52 116.49,94.64 116.49,95.28 115.34,96.43 115.34,97.08 115.68,97.42 115.99,97.42 v2(116.23,97.66)
  BOTTOM w0.094: v2(116.23,97.66) 116.23,97.52 116.38,97.36 116.83,97.36 117.12,97.66 117.12,98.21 115.49,99.84 115.26,99.84 114.83,100.27 114.83,101.06 114.74,101.16 114.01,101.16 J10.2
GEM_TD_C_P: length 11.1
  TOP w0.094: U36.7 116.87,94.5 116.75,94.62 116.75,95.38 115.59,96.53 115.59,96.97 115.73,97.11 115.97,97.11 v2(116.23,96.85)
  BOTTOM w0.094: J10.3 115.18,101.2 115.09,101.11 115.09,100.37 115.37,100.09 115.59,100.09 117.37,98.31 117.37,97.55 116.93,97.11 116.38,97.11 116.23,96.96 v2(116.23,96.85)
GEM_TD_D_N: length 6.9
  TOP w0.094: v2(114.26,95.68) 114.54,95.96 114.79,95.96 114.99,95.76 114.99,94.91 114.87,94.79 U36.11